# Altium PCB CameraControler0.8.1.PcbDoc (part 1 of 3) (continued)
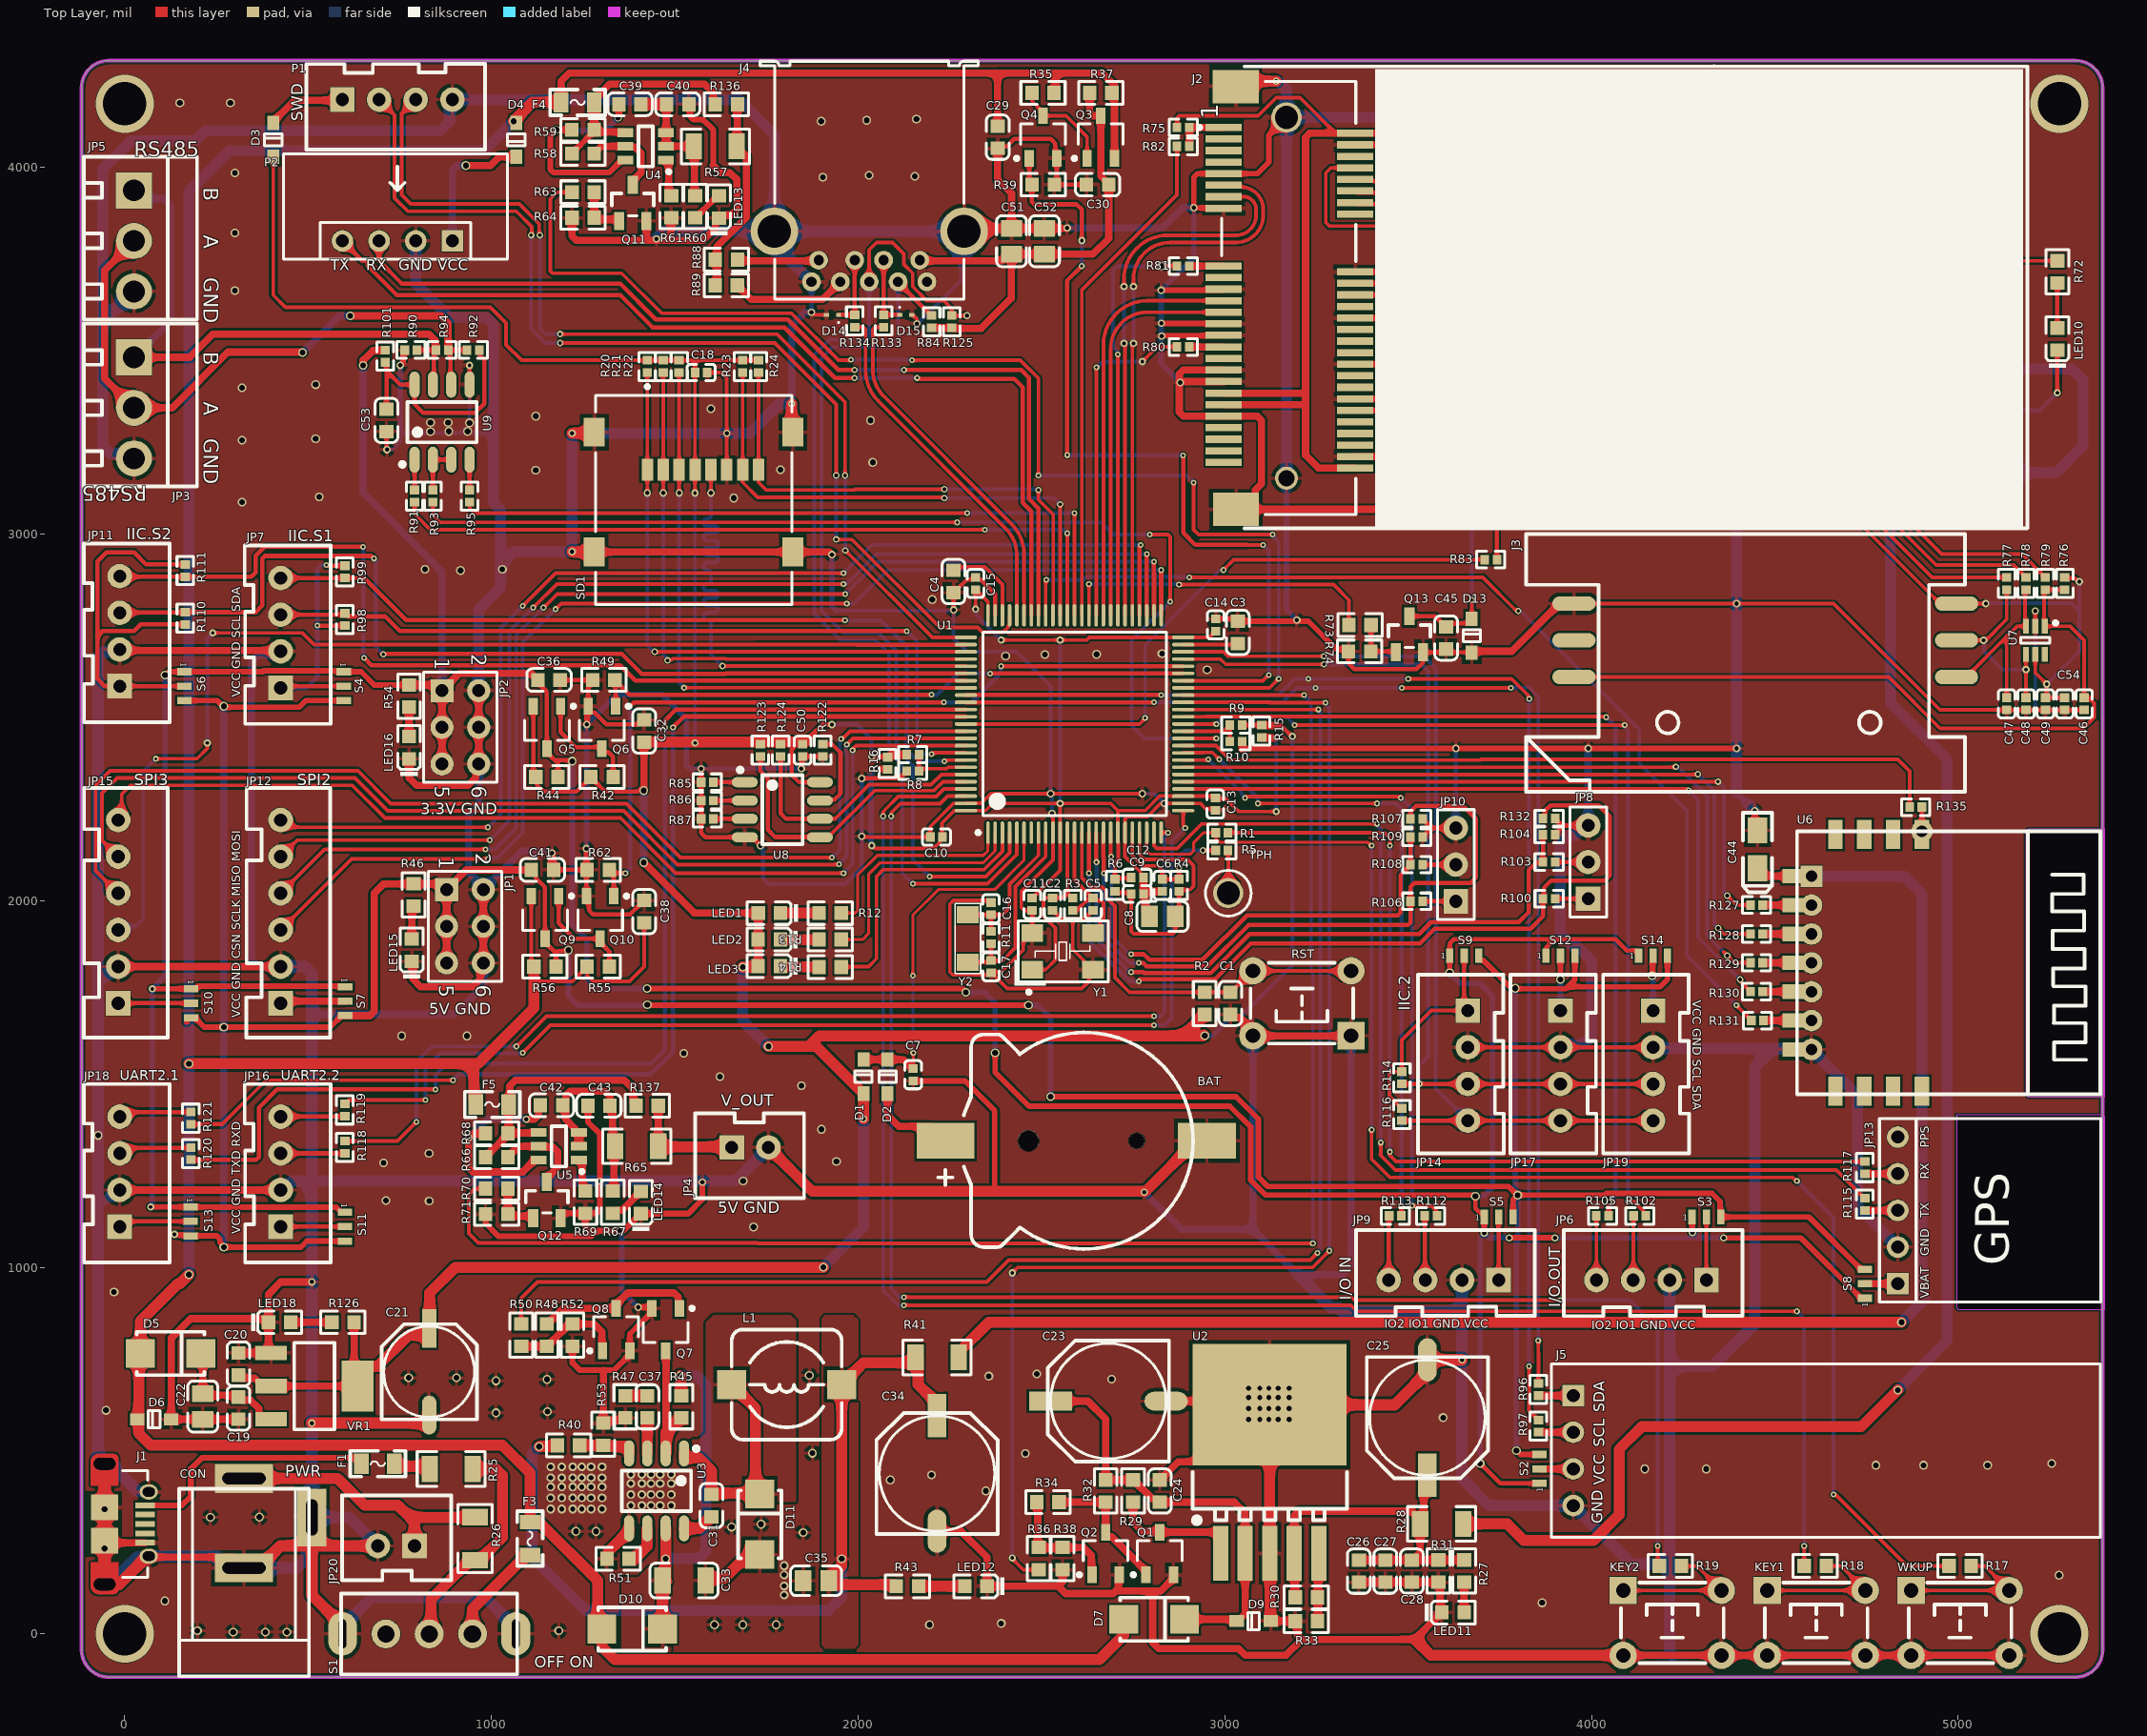
[diagram p0: Top Layer view]
## Components (designator, comment, footprint, x,y, rotation, side; value= is the part's Value field where it differs from the comment) (continued)
R124 "4.7KΩ" 0402_R 1788.31,2410.1 r270 top
R125 "10KΩ" 0402_R 2255,3579.13 r270 top
R126 "4.7KΩ" 0603_R 595,850 r0 top
R127 "0Ω" 0402_R 4450,1987.87 r0 top
R128 "0Ω" 0402_R 4450,1908.96 r0 top
R129 "0Ω" 0402_R 4450,1830.39 r0 top
R130 "0Ω" 0402_R 4450,1751.65 r0 top
R131 "0Ω" 0402_R 4452.12,1672.91 r0 top
R132 "NC" 0402_R 3883.9,2224.02 r0 top value=0Ω
R133 "0Ω" 0402_R 2069.37,3580.87 r90 top
R134 "0Ω" 0402_R 1990.63,3580.87 r90 top
R135 "0Ω" 0402_R 4883.98,2255 r180 top
R136 "NC" 0603_R 1640.55,4172.2 r0 top
R137 "NC" 0603_R 1424.45,1440.48 r0 top
RST "KEY" "TSW DIP-6*6*8" 3210,1720 r180 top
S1 "SW" "SS-12F23 (1P2T)  Straight foot" 830,0 r0 top
S2 "SW" SWITCH_SPOT 3857.89,410.63 r90 top
S3 "SW" SWITCH_SPOT 4273.63,1137.11 r0 top
S4 "SW" SWITCH_SPOT 597.11,2624.37 r270 top
S5 "SW" SWITCH_SPOT 3707.09,1137.11 r0 top
S6 "SW" SWITCH_SPOT 162.11,2624.37 r270 top
S7 "SW" SWITCH_SPOT 601.11,1765 r270 top
S8 "SW" SWITCH_SPOT 4745,915.63 r90 top
S9 "SW" SWITCH_SPOT 3613.13,1850 r0 top
S10 "SW" SWITCH_SPOT 181.11,1759.37 r270 top
S11 "SW" SWITCH_SPOT 600,1150.03 r270 top
S12 "SW" SWITCH_SPOT 3875.63,1850 r0 top
S13 "SW" SWITCH_SPOT 179.23,1164.37 r270 top
S14 "SW" SWITCH_SPOT 4128.13,1850 r0 top
SD1 "MicroSD Card" MOLX-47219-2001-8_V 1551.22,3114.25 r0 top
TPH "TPH" KSTN-5011_V 3009.23,2020.46 r0 top
U1 "STM32F407VGT6" STM-LQFP100_L 2590,2481.73 r90 top locked
U2 "MIC29302WU" TO-263-5 3122.21,219.41 r270 top
U3 "MP1584DN" SOP-8_150mil 1450,390 r180 top
U4 "FDC6330L" SOT-23-6 1420.23,4057.2 r0 top
U5 "FDC6330L" SOT-23-6 1183.35,1330 r0 top
U6 "WIFI" MT8266WIFI-H 4560.16,1480 r0 top
U7 "SMF05CT1G" SC-70-6(SOT-363) 5210,2710 r270 top
U8 "AT24C256" SOP-8_150mil 1793.31,2247.97 r270 top
U9 "SP3485" SOP-8_150mil 865.17,3305 r0 top
VR1 "AMS1117-3.3" SOT-223 516.96,675.91 r180 top
WKUP "KEY" "TSW DIP-6*6*8" 5005,30 r0 top
Y1 "8MHz" XTAL-5032-4P 2557.52,1861.58 r0 top
Y2 "32.768KHz" XTAL-3215/F135 2298.74,1896.73 r90 top

## Footprints (in the part's own frame and the unit in brackets; to place one, negate y for a bottom-side part, rotate by r counter-clockwise, add the part's x,y. Pads: shape width x height; smd on the part's side, far side on the other; paste and mask are expansions set on the pad)
0402_C [mm]
  rect 0.6x0.65 smd mask+0.051: 1(-0.425,0) 2(0.425,0)
  silkscreen extent -0.97,-0.58 0.98,0.58, body extent -0.48,-0.3 0.52,0.3, height 0.2
0402_R [mm]
  rect 0.6x0.65 smd mask+0.051: 1(-0.425,0) 2(0.425,0)
  silkscreen extent -0.98,-0.57 0.97,0.58, body extent -0.57,-0.27 0.58,0.28, height 0.41
0603_C [mm]
  rect 0.93x0.98 smd: 1(-0.77,0) 2(0.77,0)
  silkscreen extent -1.53,-0.79 1.54,0.79, body extent -0.8,-0.4 0.8,0.4, height 0.3
0603_LED_S1 [mm]
  rect 0.93x0.98 smd: A(0.77,0) K(-0.77,0)
  silkscreen extent -1.97,-0.79 1.53,0.79, body extent -0.8,-0.4 0.8,0.4, height 0.6
0603_R [mm]
  rect 0.93x0.98 smd: 1(-0.77,0) 2(0.77,0)
  silkscreen extent -1.53,-0.79 1.54,0.79, body extent -0.85,-0.4 0.85,0.4, height 0.56
0805_C [mm]
  rect 1.16x1.47 smd: 1(-0.89,0) 2(0.89,0)
  silkscreen extent -1.77,-1.04 1.77,1.04, body extent -1,-0.62 1,0.63, height 0.77
1206_C [mm]
  rect 1.13x1.8 smd: 1(-1.49,0) 2(1.49,0)
  silkscreen extent -2.36,-1.2 2.35,1.2, body extent -1.6,-0.81 1.6,0.79, height 1
1206_R [mm]
  rect 1.13x1.8 smd: 1(-1.49,0) 2(1.49,0)
  silkscreen extent -2.35,-1.2 2.35,1.2, body extent -1.7,-0.86 1.65,0.87, height 0.85
CASE-A_3216 [mm]
  rect 1.8x1.35 smd: 1(1.31,0) 2(-1.31,0)
  silkscreen extent -2.54,-1 2.97,1, body extent -1.7,-0.84 1.7,0.84, height 1.71
CDRH74 [mm] "7.3*7.3*4.5mm（长宽高）"
  rect 2x2 smd: 1(-3.81,0) 2(3.81,0)
  silkscreen extent -3.81,-3.81 3.81,3.81, body extent -3.65,-3.65 3.65,3.65, height 4.5
CR1220_B [mm] "纽扣电池座"
  round 1.1 hole 1.1: 0(-3.6,0)
  round 1.45 hole 1.45: 0(3.9,0)
  rect 4x2.5 smd: 1(9.652,0) 2(-8.458,0)
  silkscreen extent -7.5,-7.5 10.16,7.5, body extent -9.42,-7.45 10.34,7.45, height 4.05
"CT 6*6 - C" [mm] "直径6mm，高6mm"
  rect 2.7x1 smd: 1(3,0)
  oval 2.7x1 smd: 2(-3,0)
  silkscreen extent -3.3,-3.3 3.3,3.3, body extent -3.5,-3.15 3.5,3.15, height 6
"CT 8*7 - C" [mm] "直径8mm，高7mm"
  rect 3x1.3 smd: 1(4,0)
  oval 3x1.3 smd: 2(-4,0)
  silkscreen extent -4.2,-4.2 4.2,4.2, body extent -4.5,-4.15 4.5,4.15, height 7
DC-005 [mm] "5.5*2.1mm，DC30V,2.5A"
  rect 2x4 hole 0.8 slot 3 at 90 deg: 1(-6.2,0) 2(0,0)
  rect 4x2 hole 0.8 slot 2.5 at 0 deg: 3(-3.5,4.7)
  silkscreen extent -5.48,-4.5 7.5,4.5, body extent -6.55,-4.5 7.5,4.8, height 11.2
"FU 0805" [mil] "贴片保险丝"
  rect 40x55 smd: 1(-45,0) 2(45,0)
  silkscreen extent -75,-35 75,35, body extent -39,-24 39,24, height 20
HDR-1X3 [mm] "排针，3脚"
  rect 1.7x1.7 hole 0.9: 1(0,0)
  round 1.7 hole 0.9: 2(2.54,0) 3(5.08,0)
  silkscreen extent -1.27,-1.27 6.35,1.27, body extent -1.27,-1.27 6.35,1.27, height 8.5
HDR-3X2 [mm] "双排排针，3x2脚"
  rect 1.6x1.6 hole 0.9: 1(0,0)
  round 1.6 hole 0.9: 2(0,2.54) 3(2.54,0) 4(2.54,2.54) 5(5.08,0) 6(5.08,2.54)
  silkscreen extent -1.27,-1.27 6.35,3.81, body extent -1.27,-1.27 6.35,3.81, height 8.5
"HDR-4P Bluetooth-v" [mm] "Connector; Header; 4 Position"
  rect 1.5x1.5 hole 0.9: 1(-11.989,-35.687)
  round 1.5 hole 0.9: 2(-11.989,-33.147) 3(-11.989,-30.607) 4(-11.989,-28.067)
  silkscreen extent -13.26,-39.5 -5.97,-23.98, body extent -13.26,-36.96 -10.72,-26.8, height 8.5
"HDR-4P OLED" [mm] "Connector; Header; 4Position"
  rect 1.5x1.5 hole 0.9: 1(0,0)
  round 1.5 hole 0.9: 2(0,-2.54) 3(0,-5.08) 4(0,-7.62)
  silkscreen extent -1.5,-9.81 36.5,2.19, body extent -1.27,-8.89 1.27,1.27, height 8.5
"HDR-5P GPS" [mm] "Connector; Header; 5 Position"
  rect 1.5x1.5 hole 0.9: 1(0,0)
  round 1.5 hole 0.9: 2(2.54,0) 3(5.08,0) 4(7.62,0) 5(10.16,0)
  silkscreen extent -1.27,-14.05 11.46,1.27, body extent -1.27,-1.27 11.43,1.27, height 8.5
KF350-3P [mm] "可拼接端子/10A"
  rect 2.5x2.5 hole 1.5: 1(0,0)
  round 2.5 hole 1.5: 2(3.5,0) 3(7,0)
  silkscreen extent -2.34,-3.48 8.94,4.37, body extent -2.15,-3.3 8.75,4.2, height 10
KSTN-5011_V [mm] "Test Point, Dia 3.17mm"
  round 2.1 hole 1.6: 1(0,0)
  silkscreen extent -1.59,-1.58 1.59,1.58, body extent -1.59,-1.59 1.59,1.59, height 8.13
MOLX-47219-2001-8_V [mm] "CONN, 8-Leads, Body 14.5x13.6mm, Pitch 1.1mm"
  rect 0.8x1.5 smd: 1(-3.205,1.55) 2(-2.105,1.55) 3(-1.005,1.55) 4(0.095,1.55) 5(1.195,1.55) 6(2.295,1.55) 7(3.395,1.55) 8(4.495,1.55)
  rect 1.45x2 smd: 9(6.875,4.15) 10(6.875,-4.15) 11(-6.875,-4.15) 12(-6.875,4.15)
  silkscreen extent -6.8,-7.8 6.8,7.42, body extent -7.3,-7.79 7.3,6.71, height 1.91
MOLX-47589-0001 [mm] "Micro USB 2.0 Type AB ，USB SMD, 5-Leads, Body 7.5x5.6mm, Pitch 0.65mm"
  rect 0.4x1.35 smd: 1(-1.3,2.805) 2(-0.65,2.805) 3(0,2.805) 4(0.65,2.805) 5(1.3,2.805)
  round 0 / inner oval 1.4x2.1 / far side oval 1.4x2.1 hole 0.825 slot 1.5 at 90 deg: Shell(-4.175,0)
  oval 1.05x1.25 hole 0.65 slot 0.85 at 90 deg: Shell(-2.225,3.055) Shell(2.225,3.055)
  rect 1.8x1.9 smd: Shell(-1.15,0) Shell(1.15,0)
  round 0 / inner round 0 / far side oval 1.4x2.1 hole 0.825 slot 1.5 at 90 deg: Shell(4.175,0)
  Top Layer region: 4.353,-0.95 4.544,-0.912 4.706,-0.804 4.814,-0.641 4.852,-0.45 4.852,-0.45 4.852,0.65 4.83,0.765 4.765,0.862 4.667,0.927 4.553,0.95 4.553,0.95 2.668,0.95 2.668,-0.95
  Top Layer region: -4.353,-0.95 -4.544,-0.912 -4.706,-0.804 -4.814,-0.641 -4.852,-0.45 -4.852,-0.45 -4.852,0.65 -4.83,0.765 -4.765,0.862 -4.667,0.927 -4.553,0.95 -4.553,0.95 -2.668,0.95 -2.668,-0.95
  silkscreen extent -3.7,1.25 3.7,2.97, body extent -4.3,-2.64 4.3,3.23, height 2.76
MT8266WIFI-H [mm] "Anylink-ESP8266"
  rect 2x1 smd: 1(0,14.9) 2(0,12.9) 3(0,10.9) 4(0,8.9) 5(0,6.9) 6(0,4.9) 7(0,2.9)
  rect 1.5x1.5 hole 0.8: 1(1,14.896)
  round 1.5 hole 0.8: 2(1,12.896) 3(1,10.896) 4(1,8.896) 5(1,6.896) 6(1,4.896) 7(1,2.896) 12(8.65,18)
  rect 1x2 smd: 8(2.65,0) 9(4.65,0) 10(6.65,0) 11(8.65,0) 12(8.65,17.8) 13(6.65,17.8) 14(4.65,17.8) 15(2.65,17.8)
  silkscreen extent 0,-0.2 21,18
ONSC-SOD-923-2-514AB-01_V [mm] "SOD, 2-Leads, Body 0.8x0.6mm"
  rect 0.36x0.25 smd: 1(-0.42,0) 2(0.42,0)
  silkscreen extent -0.47,0.48 -0.37,0.57, body extent -0.4,-0.3 0.4,0.3, height 0.4
PCIEmin-i [mm]
  rect 0.5x2.5 smd: 1(24.3,4.35) 2(23.9,-4.75) 3(23.5,4.35) 4(23.1,-4.75) 5(22.7,4.35) 6(22.3,-4.75) 7(21.9,4.35) 8(21.5,-4.75) 9(21.1,4.35) 10(20.7,-4.75) 11(20.3,4.35) 12(19.9,-4.75) 13(19.5,4.35) 14(19.1,-4.75) 15(18.7,4.35) 16(18.3,-4.75) 17(14.7,4.35) 18(14.3,-4.75) 19(13.9,4.35) 20(13.5,-4.75) 21(13.1,4.35) 22(12.7,-4.75) 23(12.3,4.35) 24(11.9,-4.75) 25(11.5,4.35) 26(11.1,-4.75) 27(10.7,4.35) 28(10.3,-4.75) 29(9.9,4.35) 30(9.5,-4.75) 31(9.1,4.35) 32(8.7,-4.75) 33(8.3,4.35) 34(7.9,-4.75) 35(7.5,4.35) 36(7.1,-4.75) 37(6.7,4.35) 38(6.3,-4.75) 39(5.9,4.35) 40(5.5,-4.75) 41(5.1,4.35) 42(4.7,-4.75) 43(4.3,4.35) 44(3.9,-4.75) 45(3.5,4.35) 46(3.1,-4.75) 47(2.7,4.35) 48(2.3,-4.75) 49(1.9,4.35) 50(1.5,-4.75) 51(1.1,4.35) 52(0.7,-4.75)
  rect 2.3x3.2 smd: 53(27.133,3.512) 54(-2.15,3.5)
  round 2.1 hole 1.6: MH1(25,0)
  round 1.6 hole 1.1: MH2(0,0)
  round 5 hole 3: MH3(24.616,-48) MH4(0.38,-48)
  silkscreen extent -3.47,-51.31 28.54,6.15, body extent -2.49,-4.8 27.51,4.5, height 9.9
SC-70-6(SOT-363) [mm]
  rect 1x0.42 smd mask+0.051: 1(-0.97,0.65) 2(-0.97,0) 3(-0.97,-0.65) 4(0.97,-0.65) 5(0.97,0) 6(0.97,0.65)
  silkscreen extent -1.32,-1 0.2,1.53, body extent -1.2,-1.1 1.2,1.1, height 1.1
"SIM Card" [mm] "MUP , 6P"
  oval 3x1 smd: 1(-26.5,-5.08) 2(-26.5,-2.54) 3(-26.5,0) 4(0,-5.08) 5(0,-2.54) 6(0,0)
  silkscreen extent -27.1,-9.89 3.3,7.96, body extent -26.48,-9.85 3.16,7.35, height 2.6
SMA(DO-214AC)_S1 [mm]
  rect 2x2 smd: 1(2.1,0) 2(-2.1,0)
  silkscreen extent -2.35,-1.5 2.35,1.5, body extent -2.52,-1.4 2.52,1.4, height 2.29
SOD-323 [mm]
  rect 1x0.83 smd: 1(1.18,0) 2(-1.18,0)
  silkscreen extent -0.4,-0.6 0.4,0.6, body extent -1.35,-0.62 1.35,0.63, height 1.1
SOP-8_150mil [mm]
  oval 0.7x1.8 smd: 1(-1.905,-2.6) 2(-0.635,-2.6) 3(0.635,-2.6) 4(1.905,-2.6) 5(1.905,2.6) 6(0.635,2.6) 7(-0.635,2.6) 8(-1.905,2.6)
  silkscreen extent -2.9,-3.07 2.4,1.4, body extent -2.5,-3.1 2.5,3.1, height 1.75
SOT-23(SOT-23-3) [mm]
  rect 1.25x0.7 smd: 1(1.25,-0.95) 2(1.25,0.95) 3(-1.25,0)
  silkscreen extent -0.65,-1.46 0.9,1.46, body extent -1.5,-1.5 1.5,1.5, height 1.3
SOT-23-3L [mm] "http://www.aosmd.com/res/packaging_information/SOT-23-3L.pdf"
  rect 1.15x0.65 smd: 1(1.475,-0.95) 2(1.475,0.95) 3(-1.475,0)
  silkscreen extent -0.9,-1.95 1.6,1.55, body extent -0.9,-1.55 0.9,1.55, height 1.25
SOT-23-6 [mm]
  rect 1.1x0.6 smd: 1(1.4,-0.95) 2(1.4,0) 3(1.4,0.95) 4(-1.4,0.95) 5(-1.4,0) 6(-1.4,-0.95)
  silkscreen extent -0.5,-1.87 1.73,1.4, body extent -1.4,-1.45 1.4,1.45, height 1.45
SOT-223 [mm]
  rect 2.2x1 smd: 1(3,-2.3) 2(3,0) 3(3,2.3)
  rect 2.2x3.5 smd: 2(-3,0)
  silkscreen extent -1.4,-3 1.4,3, body extent -3.49,-3.24 3.49,3.24, height 1.64
"SS-12F23 (1P2T)  Straight foot" [mm] "脚距3mm"
  oval 2x3 hole 0.5 slot 2 at 90 deg: 0(-6,0) 0(6,0)
  round 2 hole 1.2: 1(-3,0) 2(0,0) 3(3,0)
  silkscreen extent -6.1,-2.8 6.1,2.8, body extent -7,-3.1 7,3.1, height 9.65
STM-LQFP100_L [mm] "Thin QFP, 100-Leads, Body 14x14mm, Pitch 0.5mm, IPC High Density"
  oval 1.55x0.25 smd: 1(-7.525,6) 2(-7.525,5.5) 3(-7.525,5) 4(-7.525,4.5) 5(-7.525,4) 6(-7.525,3.5) 7(-7.525,3) 8(-7.525,2.5) 9(-7.525,2) 10(-7.525,1.5) 11(-7.525,1) 12(-7.525,0.5) 13(-7.525,0) 14(-7.525,-0.5) 15(-7.525,-1) 16(-7.525,-1.5) 17(-7.525,-2) 18(-7.525,-2.5) 19(-7.525,-3) 20(-7.525,-3.5) 21(-7.525,-4) 22(-7.525,-4.5) 23(-7.525,-5) 24(-7.525,-5.5) 25(-7.525,-6) 51(7.525,-6) 52(7.525,-5.5) 53(7.525,-5) 54(7.525,-4.5) 55(7.525,-4) 56(7.525,-3.5) 57(7.525,-3) 58(7.525,-2.5) 59(7.525,-2) 60(7.525,-1.5) 61(7.525,-1) 62(7.525,-0.5) 63(7.525,0) 64(7.525,0.5) 65(7.525,1) 66(7.525,1.5) 67(7.525,2) 68(7.525,2.5) 69(7.525,3) 70(7.525,3.5) 71(7.525,4) 72(7.525,4.5) 73(7.525,5) 74(7.525,5.5) 75(7.525,6)
  oval 0.25x1.55 smd: 26(-6,-7.525) 27(-5.5,-7.525) 28(-5,-7.525) 29(-4.5,-7.525) 30(-4,-7.525) 31(-3.5,-7.525) 32(-3,-7.525) 33(-2.5,-7.525) 34(-2,-7.525) 35(-1.5,-7.525) 36(-1,-7.525) 37(-0.5,-7.525) 38(0,-7.525) 39(0.5,-7.525) 40(1,-7.525) 41(1.5,-7.525) 42(2,-7.525) 43(2.5,-7.525) 44(3,-7.525) 45(3.5,-7.525) 46(4,-7.525) 47(4.5,-7.525) 48(5,-7.525) 49(5.5,-7.525) 50(6,-7.525) 76(6,7.525) 77(5.5,7.525) 78(5,7.525) 79(4.5,7.525) 80(4,7.525) 81(3.5,7.525) 82(3,7.525) 83(2.5,7.525) 84(2,7.525) 85(1.5,7.525) 86(1,7.525) 87(0.5,7.525) 88(0,7.525) 89(-0.5,7.525) 90(-1,7.525) 91(-1.5,7.525) 92(-2,7.525) 93(-2.5,7.525) 94(-3,7.525) 95(-3.5,7.525) 96(-4,7.525) 97(-4.5,7.525) 98(-5,7.525) 99(-5.5,7.525) 100(-6,7.525)
  silkscreen extent -7.65,-6.35 6.35,6.8, body extent -7,-7 7,7, height 1.6
SWITCH_SPOT [mm]
  rect 0.5x1 smd: 1(0,0) 2(1,0) 3(2,0)
TO-263-5 [mm]
  rect 8.4x10.65 smd: 0(-10.3,0)
  rect 3.8x1.05 smd: 1(0,-3.4) 2(0,-1.7) 3(0,0) 4(0,1.7) 5(0,3.4)
  silkscreen extent -5.65,-5.35 -2.1,5.35, body extent -12.78,-5.26 -3.13,5.39, height 4.83
"TSW DIP-6*6*8" [mm] "6*6*8mm"
  rect 1.9x1.9 hole 1: 1(-3.4,2.25)
  round 1.9 hole 1: 1(3.4,2.25) 2(-3.4,-2.25) 2(3.4,-2.25)
  silkscreen extent -3.56,-2.79 3.56,2.79, body extent -4.11,-3 4.11,3, height 7.95
USB3.0-i [mm] "USB 3.0 Type A Horizontal"
  round 1.3 hole 0.7: 1(-3.5,5.54) 2(-1,5.54) 3(1,5.54) 4(3.5,5.54) 5(4,7.04) 6(2,7.04) 7(0,7.04) 8(-2,7.04) 9(-4,7.04)
  round 3.3 hole 2.3: Shell(-6.57,3.54) Shell(6.57,3.54)
  silkscreen extent -7.55,-8.24 7.55,8.24, body extent -7.74,-8.24 7.74,8.31, height 8.03
XH2.54-2P [mm] "接插件，2P"
  rect 1.7x1.7 hole 0.9: 1(0,0)
  round 1.7 hole 0.9: 2(2.54,0)
  silkscreen extent -2.54,-3.51 5.01,2.37, body extent -2.5,-3.3 5.04,2.4, height 7.05
XH2.54-4P [mm] "接插件，4P"
  rect 1.7x1.7 hole 0.9: 1(0,0)
  round 1.7 hole 0.9: 2(2.54,0) 3(5.08,0) 4(7.62,0)
  silkscreen extent -2.49,-3.45 9.88,2.49, body extent -2.5,-3.3 10.12,2.4, height 7.03
XH2.54-6P [mm] "接插件，6P"
  rect 1.7x1.7 hole 0.9: 1(0,0)
  round 1.7 hole 0.9: 2(2.54,0) 3(5.08,0) 4(7.62,0) 5(10.16,0) 6(12.7,0)
  silkscreen extent -2.39,-3.43 14.91,2.39, body extent -2.5,-3.3 15.2,2.4, height 7.03
XTAL-3215/F135 [mm]
  rect 1.2x1.5 smd: 1(-1.65,0) 2(1.65,0)
  silkscreen extent -2.41,-0.89 2.41,0.89, body extent -1.6,-0.75 1.6,0.75, height 0.81
XTAL-5032-4P [mil]
  rect 59.06x47.24 smd: 1(-83,-50) 2(83,-50) 3(83,50) 4(-83,50)
  silkscreen extent -132,-116 124,83, body extent -98,-63 98,63, height 39

## Part data
C1 C19 C20 C24 C26 C31 C40 C43 C45 C53: library part "Cap 0603 100nF (104) 10% 50V", "贴片电容", Package=0603, SuppliersPartNumber=C14663, ComponentLink1Description=供应商链接, ComponentLink1URL=http://www.szlcsc.com/product/details_15331.html, Supplier=LC
C2 C5 C16 C17: library part "Cap 0402 22pF (220) 5% 50V", "贴片电容", Package=0402, SuppliersPartNumber=C1555, ComponentLink1Description=供应商链接, ComponentLink1URL=http://www.szlcsc.com/product/details_1907.html, Supplier=LC
C3 C4: library part "Cap 0603 2.2uF (225) 10% 16V", "贴片电容", Package=0603, SuppliersPartNumber=C23630, ComponentLink1Description=供应商链接, ComponentLink1URL=http://www.szlcsc.com/product/details_24366.html, Supplier=LC
C6 C7 C9 C10 C11 C12 C13 C14 C15 C18 C50 C54: library part "Cap 0402 100nF (104) 10% 16V", "贴片电容", Package=0402, SuppliersPartNumber=C1525, ComponentLink1URL=http://www.szlcsc.com/product/details_1877.html, Supplier=LC
  C6 C7 C9 C10 C11 C12 C13 C14 C15 C18: ComponentLink1Description=供应商链接
  C50 C54: ComponentLink1Description=供应商
C8 C22 C51: library part "Cap 0805 10uF (106) 10% 25V", "贴片电容", Package=0805, SuppliersPartNumber=C15850, ComponentLink1Description=供应商链接, ComponentLink1URL=http://www.szlcsc.com/product/details_16532.html, Supplier=LC
C21: library part "Cap+ CT6.3*5.4 220uF/16V", "电解电容"
C23 C25 C34: library part "Cap+ CT8*10.2 470uF/16V", "电解电容"
C27: library part "Cap 0603 10pF (100) 5% 50V", "贴片电容", Package=0603, SuppliersPartNumber=C1634, ComponentLink1Description=供应商链接, ComponentLink1URL=http://www.szlcsc.com/product/details_1986.html, Supplier=LC
C28: library part "Cap 0603 33pF (330) 5% 50V", "贴片电容", Package=0603, SuppliersPartNumber=C1663, ComponentLink1Description=供应商链接, ComponentLink1URL=http://www.szlcsc.com/product/details_2015.html, Supplier=LC
C29 C30 C32 C36 C38 C41: library part "Cap 0603 1uF (105) 10% 50V", "贴片电容", Package=0603, SuppliersPartNumber=C15849, ComponentLink1Description=供应商链接, ComponentLink1URL=http://www.szlcsc.com/product/details_16531.html, Supplier=LC
C33: library part "Cap 1206 10uF (106) 10% 50V", "贴片电容", Package=1206, SuppliersPartNumber=C13585, ComponentLink1Description=供应商链接, ComponentLink1URL=http://www.szlcsc.com/product/details_14236.html, Supplier=LC
C35: library part "Cap 0805 22uF (226) 20% 25V", "贴片电容", Package=0805, SuppliersPartNumber=C45783, ComponentLink1Description=供应商链接, ComponentLink1URL=http://www.szlcsc.com/product/details_46786.html, Supplier=LC
C37: library part "Cap 0603 220pF (221) 10% 50V", "贴片电容", Package=0603, SuppliersPartNumber=C1603, ComponentLink1Description=供应商链接, ComponentLink1URL=http://www.szlcsc.com/product/details_1955.html, Supplier=LC
C39 C42: library part "Cap 0603 1nF (102) 10% 50V", "贴片电容", Package=0603, SuppliersPartNumber=C1588, ComponentLink1Description=供应商链接, ComponentLink1URL=http://www.szlcsc.com/product/details_1940.html, Supplier=LC
C44: library part "3216 10uF (106) 10% 16V", "钽电容", Package=3216, SuppliersPartNumber=C7171, ComponentLink1Description=供应商链接, ComponentLink1URL=http://www.szlcsc.com/product/details_7643.html, Supplier=LC
C46 C47 C48 C49: library part "Cap 0402 33pF (330) 5% 50V", "贴片电容", Package=0402, SuppliersPartNumber=C1562, ComponentLink1Description=供应商链接, ComponentLink1URL=http://www.szlcsc.com/product/details_1914.html, Supplier=LC
C52: library part "Cap 0805 100nF(104) 10% 50V", "贴片电容", Package=0805, SuppliersPartNumber=C49678, ComponentLink1Description=供应商链接, ComponentLink1URL=http://www.szlcsc.com/product/details_50686.html, Supplier=LC
CON: library part PWR-DC, "低压电源接口", BOM名称=DC电源接口, 学习资源=www.ooocke.com, 版权归属=源创客
D1 D2 D3 D4: library part "DIO SOD-323 1N4148WS T4", "二极管", Package=SOD-323, SuppliersPartNumber=C2128, ComponentLink1Description=供应商链接, ComponentLink1URL=http://www.szlcsc.com/product/details_2485.html, Supplier=LC
D5 D7 D10: library part "SMA(DO-214AC) B350A", "Schottky Diodes", Package=SMA(DO-214AC), ComponentLink1Description=供应商链接, ComponentLink1URL=http://www.szlcsc.com/product/details_2841.html
D6 D9: library part "SOD-323 SD24C", "TVS; ESD 抑制器/TVS 二极管", Package=SMB/DO-214AA, SuppliersPartNumber=C78395, ComponentLink1Description=供应商链接, ComponentLink1URL=http://www.szlcsc.com/product/details_79530.html, Supplier=LC
D11: library part "SMA(DO-214AC) SS34", "SMA(DO-214AC) SS34, D Schottky"
D13: library part "SOD-323 LESD3Z5.0T1G", "TVS/ESD, SOD-323, 5V", Package=SMB/DO-214AA, SuppliersPartNumber=C78395, ComponentLink1Description=供应商链接, ComponentLink1URL=http://www.szlcsc.com/product/details_79530.html, Supplier=LC
D14 D15: library part "SOD-923 ESD9L5.0ST5G", "Transient Voltage Suppressor, ESD Protection Diode with Ultra-Low Capacitance, 2-Pin SOD-923, Pb-Free, Tape and Reel, CMP-1063-00114-1", Manufacturer="On Semiconductor", C Max (pF)=0.9, ComponentLink1Description="Manufacturer URL", ComponentLink1URL=http://www.onsemi.com/, ComponentLink2Description=Datasheet, ComponentLink2URL=http://www.onsemi.cn/pub_link/Collateral/ESD9L-D.PDF, ComponentLink3Description="Package Specification", ComponentLink3URL=http://www.onsemi.com/pub_link/Collateral/514AB.PDF, DatasheetVersion="Rev. 5", Direction=Unidirectional, IR Max (uA)=1, Mounting Technology="Surface Mount", Number of Lines=1, PackageDescription="2-Pin SOD, Body 0.8 x 0.6 mm", PackageReference=SOD-923-2-514AB-01, PackageVersion="Rev. C, 03/2011", Packing="Tape and Reel", PartNumber=ESD9L5.0ST5G, RoHS=Pb-Free, V(BR) Min (V)=5.4, VRWM Max (V)=5
F1 F4 F5: library part "FU PPTC MSMD 5V 2A", "自恢复保险丝", BOM名称=贴片保险丝, 学习资源=www.ooocke.com, 版权归属=源创客
F3: library part "FU PPTC MSMD 5V 3A", "自恢复保险丝", BOM名称=贴片保险丝, 学习资源=www.ooocke.com, 版权归属=源创客
J1: library part "MicroUSB MOLX-47589-0001", "Right Angle Female Type AB Micro USB Connector, 30 V, 1.8 A, -30 to 85 degC, RoHS, Tape and Reel", Contact Resistance=30mOhm, Manufacturer="Wurth Elektronik", Operating Temperature=-40to85degC, Package Reference=629105150921, Rated Current=1.8A, Working Voltage=30VAC, Connector Type=MicroUSB2.0TypeAB, Datasheet URL=https://katalog.we-online.de/em/datasheet/629105150921.pdf, Gender=Receptacle, Manufacturer URL=http://www.we-online.de, Mounting Technology=SMT, Orientation=Horizontal, Packaging=TapeandReel, Part Number=629105150921, Publisher=WurthElektronik
J2: library part PCIE-Mini, "Female Header, Pitch 0.8 mm, 2 x 26 Position, Height 9.9 mm, -40 to 85 degC, RoHS, Tape and Reel, CMP-2000-05614-1, 48338-0099", Manufacturer=Molex, Package Description="52-Pin Surface Mount Device, Body 30 x 9.3 mm, Pitch 0.8 mm", Package Reference=48338-0099, =0483380099, Brand=Molex, Contact Material=CopperAlloy, Contact Plating=Gold, Datasheet URL=http://www.molex.com/pdm_docs/sd/483380099_sd.pdf, Datasheet Version="Rev. F, 06/2009", Factory Pack Quantity=300, Housing Material=Thermoplastic, Manufacturer URL=http://www.molex.com/, Mounting Angle=Right, Mounting Style=SMD/SMT, Mounting Technology=SurfaceMount, Number of Positions=52, Number of Positions / Contacts=52, Packaging=Reel, Product Category=PCIExpress/PCIConnectors, Product Type=MiniPCI, RoHS=Details, Series=48338
J3: library part "SIM Card MUP", "MUP, 6P", Manufacturer="Wurth Elektronik", Operating Temperature=-25to85degC, Package Reference=693010020611, Rated Current=0.5A, Withstanding Voltage=500VAC, Working Voltage=50VAC, Datasheet URL=https://katalog.we-online.de/em/datasheet/693010020611.pdf, Manufacturer URL=http://www.we-online.de, Mounting Technology=SMT, Packaging=TapeandReel, Part Number=693010020611, Publisher=WurthElektronik, Taobao=https://item.taobao.com/item.htm?spm=a230r.1.14.37.7dfabe7eHV2uMn&id=550214241835&ns=1&abbucket=6#detail
J4: library part "USB 3.0 Type A", "USB 3.0 Type A Receptacle WR-COM, Horizontal, THT", Contact Resistance=50mOhm, Manufacturer="Wurth Elektronik", Operating Temperature=-20to85degC, Package Reference=692121030100, Rated Current=0.25A, Working Voltage=30VAC, Connector Type=USB3.0TypeA, Datasheet URL=https://katalog.we-online.de/em/datasheet/692121030100.pdf, Gender=Receptacle, Manufacturer URL=http://www.we-online.de, Mounting Technology=THT, Orientation=Horizontal, Packaging=TapeandReel, Part Number=692121030100, Publisher=WurthElektronik
J5: library part "HDR-4P OLED 0.91", "Header, 4-Pin", LatestRevisionDate=17-Jul-2002, LatestRevisionNote="Re-released for DXP Platform.", Publisher="Altium Limited"
JP1 JP2: library part "Header HDR-2X3", "3*2P接插件", BOM名称=3*2P接插件, 学习资源=www.ooocke.com, 版权归属=源创客
JP3 JP5 JP8 JP10: library part "Header HDR-1X3", "3P接插件", BOM名称=3P接插件, 学习资源=www.ooocke.com, 版权归属=源创客
JP4 JP20: library part "Header XH-2.56-2P", "Male Header, Pitch 2.5 mm, 1 x 2 Position, Height 7 mm, Tail Length 3.4 mm, -25 to 85 degC, RoHS, Bulk", Manufacturer=JST, Package Description="Male Header, Pitch 2.5 mm, 1 x 2 Position, Height 7 mm, Tail Length 3.4 mm", Package Reference=B2B-XH-A, Datasheet URL=http://www.jst-mfg.com/product/pdf/eng/eXH.pdf, Datasheet Version=05/2016, Manufacturer URL=http://www.jst.com/home2.html, Mounting Technology=ThroughHole, No of Positions=2, Pitch=2.5mm, Style/Orientation=StraightHeader/Plug, Termination=Crimp, Type=ShroudedHeader
JP6 JP7 JP9 JP11 JP14 JP16 JP17 JP18 JP19 P1: library part "Header XH-2.56-4P", "Male Header, Pitch 2.5 mm, 1 x 4 Position, Height 7 mm, Tail Length 8.4 mm, -25 to 85 degC, RoHS, Bulk", Manufacturer=JST, Package Description="Male Header, Pitch 2.5 mm, 1 x 2 Position, Height 7 mm, Tail Length 3.4 mm", Package Reference=B2B-XH-A, Datasheet URL=http://www.jst-mfg.com/product/pdf/eng/eXH.pdf, Datasheet Version=05/2016, Manufacturer URL=http://www.jst.com/home2.html, Mounting Technology=ThroughHole, No of Positions=2, Pitch=2.5mm, Style/Orientation=StraightHeader/Plug, Termination=Crimp, Type=ShroudedHeader
JP12 JP15: library part "Header XH-2.56-6P", "Male Header, Pitch 2.5 mm, 1 x 4 Position, Height 7 mm, Tail Length 8.4 mm, -25 to 85 degC, RoHS, Bulk", Manufacturer=JST, Package Description="Male Header, Pitch 2.5 mm, 1 x 2 Position, Height 7 mm, Tail Length 3.4 mm", Package Reference=B2B-XH-A, Datasheet URL=http://www.jst-mfg.com/product/pdf/eng/eXH.pdf, Datasheet Version=05/2016, Manufacturer URL=http://www.jst.com/home2.html, Mounting Technology=ThroughHole, No of Positions=2, Pitch=2.5mm, Style/Orientation=StraightHeader/Plug, Termination=Crimp, Type=ShroudedHeader
JP13: "Header, 5-Pin", LatestRevisionDate=17-Jul-2002, LatestRevisionNote="Re-released for DXP Platform.", Publisher="Altium Limited"
KEY1 KEY2 RST WKUP: library part KEY_M
L1: library part "IUD CDRH74 10uH", "IUD CDRH74 10uH"
LED1: library part "LED 0603 绿灯", "发光二极管", Package=0603, SuppliersPartNumber=C72043, ComponentLink1Description=供应商链接, ComponentLink1URL=http://www.szlcsc.com/product/details_73152.html, Supplier=LC
LED2 LED11 LED12 LED13 LED14 LED15 LED16: library part "LED 0603 黄灯", "发光二极管", Package=0603, SuppliersPartNumber=C72038, ComponentLink1Description=供应商链接, ComponentLink1URL=http://www.szlcsc.com/product/details_73147.html, Supplier=LC
LED3 LED10: library part "LED 0603 蓝灯", "发光二极管", Package=0603, SuppliersPartNumber=C72041, ComponentLink1Description=供应商链接, ComponentLink1URL=http://www.szlcsc.com/product/details_73150.html, Supplier=LC
LED18: library part "LED 0603 红灯", "发光二极管", Package=0603, SuppliersPartNumber=C2286, ComponentLink1Description=供应商链接, ComponentLink1URL=http://www.szlcsc.com/product/details_2659.html, Supplier=LC
P2: library part "HAR-4P UART", "Header, 4-Pin", LatestRevisionDate=17-Jul-2002, LatestRevisionNote="Re-released for DXP Platform.", Publisher="Altium Limited"
Q1 Q2 Q4 Q6 Q7 Q8 Q10: library part "NMOS SOT-23 AO3400A X0YV1T", "MOS(场效应管) NMOS", Package=SOT-23, SuppliersPartNumber=C20917, ComponentLink1Description=供应商链接, ComponentLink1URL=http://www.szlcsc.com/product/details_21629.html, Supplier=LC
Q3 Q5 Q9: library part "PMOS SOT-23 AO3401A X13A15", "MOS(场效应管) PMOS", Package=SOT-23, SuppliersPartNumber=C15127, ComponentLink1Description=供应商链接, ComponentLink1URL=http://www.szlcsc.com/product/details_15801.html, Supplier=LC
Q11 Q12: library part "NPN SOT-23 SS8050 Y1", "NPN 三极管", Package=SOT-23, SuppliersPartNumber=C2150, ComponentLink1Description=供应商链接, ComponentLink1URL=http://www.szlcsc.com/product/details_2507.html, Supplier=LC
Q13: library part "SOT-23 SS8050 Y1", "三极管", Package=SOT-23, SuppliersPartNumber=C2150, ComponentLink1Description=供应商链接, ComponentLink1URL=http://www.szlcsc.com/product/details_2507.html, Supplier=LC
R1 R4 R5 R15 R16 R100 R101 R103 R104 R106 R107 R108 R109 R127 R128 R129 R130 R131 R132 R133 R134 R135: library part "Res 0402 0Ω (0R0) 1%", "贴片电阻", Package=0402, SuppliersPartNumber=C17168, ComponentLink1URL=http://www.szlcsc.com/product/details_17853.html, Supplier=LC
  R1 R4 R5 R15 R16 R127 R128 R129 R130 R131 R133 R134: ComponentLink1Description=供应商链接
  R100 R101 R103 R104 R106 R107 R108 R109 R132 R135: ComponentLink1Description=供应商
R2 R36 R46 R50 R60: library part "Res 0603 10KΩ (1002) 1%", "贴片电阻", Package=0603, SuppliersPartNumber=C25804, ComponentLink1Description=供应商链接, ComponentLink1URL=http://www.szlcsc.com/product/details_26547.html, Supplier=LC
R3 R11: library part "Res 0402 1MΩ (1004) 1%", "贴片电阻", Package=0402, SuppliersPartNumber=C26083, ComponentLink1Description=供应商链接, ComponentLink1URL=http://www.szlcsc.com/product/details_26826.html, Supplier=LC
R6: library part "Res 0402 10Ω (10R0) 1%", "贴片电阻", Package=0402, SuppliersPartNumber=C25077, ComponentLink1Description=供应商链接, ComponentLink1URL=http://www.szlcsc.com/product/details_25820.html, Supplier=LC
R7 R8 R9 R10 R75 R84 R85 R86 R87 R122 R125: library part "Res 0402 10KΩ (1002) 1%", "贴片电阻", Package=0402, SuppliersPartNumber=C25744, ComponentLink1URL=http://www.szlcsc.com/product/details_26487.html, Supplier=LC
  R7 R8 R9 R10 R75 R84 R125: ComponentLink1Description=供应商链接
  R85 R86 R87 R122: ComponentLink1Description=供应商
R12 R13 R14 R17 R18 R19 R27 R43 R54 R61 R63 R67 R69 R70 R72 R73 R74 R126: library part "Res 0603 4.7KΩ (4701) 1%", "贴片电阻", Package=0603, SuppliersPartNumber=C23162, ComponentLink1Description=供应商链接, ComponentLink1URL=http://www.szlcsc.com/product/details_23889.html, Supplier=LC
R20 R21 R22 R23 R24: library part "Res 0402 47KΩ (4702) 1%", "贴片电阻", Package=0402, SuppliersPartNumber=C25792, ComponentLink1Description=供应商, ComponentLink1URL=http://www.szlcsc.com/product/details_26535.html, Supplier=LC
R25 R26 R28 R41 R57 R65: library part "Res 1206 0Ω (0R0) 1%", "贴片电阻", Package=1206, SuppliersPartNumber=C17888, ComponentLink1Description=供应商链接, ComponentLink1URL=http://www.szlcsc.com/product/details_18576.html, Supplier=LC
R29 R58 R66: library part "Res 0603 51KΩ (5102) 1%", "贴片电阻", Package=0603, SuppliersPartNumber=C23196, ComponentLink1Description=供应商链接, ComponentLink1URL=http://www.szlcsc.com/product/details_23923.html, Supplier=LC
R30: library part "Res 0603 82KΩ (8202) 1%", "贴片电阻", Package=0603, SuppliersPartNumber=C25981, ComponentLink1Description=供应商链接, ComponentLink1URL=http://www.szlcsc.com/product/details_26724.html, Supplier=LC
R31: library part "Res 0603 470Ω (4700) 1%", "贴片电阻", Package=0603, SuppliersPartNumber=C23179, ComponentLink1Description=供应商链接, ComponentLink1URL=http://www.szlcsc.com/product/details_23906.html, Supplier=LC
R32 R35 R38 R39 R42 R45 R49 R52 R55 R59 R62 R68: library part "Res 0603 100KΩ (1003) 1%", "贴片电阻", Package=0603, SuppliersPartNumber=C25803, ComponentLink1Description=供应商链接, ComponentLink1URL=http://www.szlcsc.com/product/details_26546.html, Supplier=LC
R33 R64 R71: library part "Res 0603 47KΩ (4702) 1%", "贴片电阻", Package=0603, SuppliersPartNumber=C25819, ComponentLink1Description=供应商链接, ComponentLink1URL=http://www.szlcsc.com/product/details_26562.html, Supplier=LC
R34 R37 R44 R48 R56 R88 R89 R136 R137: library part "Res 0603 0Ω (0R0) 1%", "贴片电阻", Package=0603, SuppliersPartNumber=C21189, ComponentLink1Description=供应商链接, ComponentLink1URL=http://www.szlcsc.com/product/details_21903.html, Supplier=LC
R40: library part "Res 0603 124KΩ 1%", "贴片电阻", Package=0603, SuppliersPartNumber=C22975, ComponentLink1Description=供应商链接, ComponentLink1URL=http://www.szlcsc.com/product/details_23702.html, Supplier=LC
R47: library part "Res 0603 40.2KΩ 1%", "贴片电阻", Package=0603, SuppliersPartNumber=C22975, ComponentLink1Description=供应商链接, ComponentLink1URL=http://www.szlcsc.com/product/details_23702.html, Supplier=LC
R51: library part "Res 0603 200KΩ (2003) 1%", "贴片电阻", Package=0603, SuppliersPartNumber=C25811, ComponentLink1Description=供应商链接, ComponentLink1URL=http://www.szlcsc.com/product/details_26554.html, Supplier=LC
R53: library part "Res 0603 68.1KΩ 1%", "贴片电阻", Package=0603, SuppliersPartNumber=C22975, ComponentLink1Description=供应商链接, ComponentLink1URL=http://www.szlcsc.com/product/details_23702.html, Supplier=LC
R76: library part "Res 0402 15KΩ (1502) 1%", "贴片电阻", Package=0402, SuppliersPartNumber=C25756, ComponentLink1Description=供应商链接, ComponentLink1URL=http://www.szlcsc.com/product/details_26499.html, Supplier=LC
R77 R78 R79 R80 R81 R82 R83 R91 R93 R95 R96 R97 R102 R105 R112 R113 R115 R117 R118 R119 R120 R121: library part "Res 0402 22Ω (22R0) 1%", "贴片电阻", Package=0402, SuppliersPartNumber=C25092, ComponentLink1Description=供应商链接, ComponentLink1URL=http://www.szlcsc.com/product/details_25835.html, Supplier=LC
R90 R92: library part "Res 0402 360Ω (3600) 1%", "贴片电阻", Package=0402, SuppliersPartNumber=C25079, ComponentLink1Description=供应商, ComponentLink1URL=http://www.szlcsc.com/product/details_25822.html, Supplier=LC
R94: library part "Res 0402 120Ω (1200) 1%", "贴片电阻", Package=0402, SuppliersPartNumber=C25079, ComponentLink1Description=供应商, ComponentLink1URL=http://www.szlcsc.com/product/details_25822.html, Supplier=LC
R98 R99 R110 R111 R114 R116 R123 R124: library part "Res 0402 4.7KΩ (4701) 1%", "贴片电阻", Package=0402, SuppliersPartNumber=C25900, ComponentLink1Description=供应商, ComponentLink1URL=http://www.szlcsc.com/product/details_26643.html, Supplier=LC
S1: library part "SW SSW-1P_2", "1路波动开关", BOM名称=波动开关, 学习资源=www.ooocke.com, 版权归属=源创客
S2 S3 S4 S5 S6 S7 S8 S9 S10 S11 S12 S13 S14: library part "SW SPOT_SW-1P", "1路开关", BOM名称=波动开关, 学习资源=www.ooocke.com, 版权归属=源创客
SD1: library part MicroSD_Card, "MicroSD Card Connector, Hinge Type, -40 to 85 degC, 8-Pin SMD, RoHS, Tape and Reel, CMP-2000-05245-1", Current Rating=500mA, Manufacturer=Molex, Voltage Rating=100VDC, =0472192001, Brand=Molex, Card Type=microSD, Contact Material=CopperAlloy, Datasheet URL=http://www.molex.com/pdm_docs/sd/472192001_sd.pdf, Datasheet Version="Rev. F, 06/2009", Factory Pack Quantity=2400, Housing Material=Thermoplastic, Insertion - Extraction Style=Hinged, Manufacturer URL=http://www.molex.com/, Mounting Style=SMD/SMT, Number of Contacts=8, Packaging=Reel, Pitch=1.09mm, Product=CardConnectors, Product Category=MemoryCardConnectors, RoHS=Details, Series=47219, Termination Style=SMD
TPH: library part TPH5011, "Test Point, Black, Through Hole, RoHS, Bulk, CMP-1672-00003-4, 5011", Colour=Black, Manufacturer=Keystone, Package Quantity=100, ComponentLink1Description="Manufacturer URL", ComponentLink1URL=http://www.keyelco.com/, ComponentLink2Description=Datasheet, ComponentLink2URL=http://www.keyelco.com/product-pdf.cfm?p=1320, Contact Material=Bronze, Contact Plating=Silver, DatasheetVersion="Rev. F, 12/2013", Height="8.12 mm", Mount="Through Hole", Mounting Technology="Through Hole", PackageDescription="1-Pin Through Hole Device, Dia 3.17 mm", PackageReference=5011, Packaging=Bulk, Pins=1, REACH SVHC="No SVHC", RoHSCompliant=true
U1: "ARM", Package=LQFP-100_14x14x05P, SuppliersPartNumber=C12345, ComponentLink1Description=供应商链接, ComponentLink1URL=http://www.szlcsc.com/product/details_12968.html, Supplier=LC
U2: "3A"
U3: "DC-DC电源芯片"
U4 U5: "Integrated Load Switch, 3 to 20 V, -55 to 150 degC, 6-Pin SOT23, RoHS, Tape and Reel, CMP-2000-04940-1", Continuous Drain Current Id=2.3A, Current Limit=2.5A, Distribution Switch Case Style=SSOT, Drain Source Voltage Vds=20V, Load Pulsed Current=10A, Manufacturer=Fairchild, On Resistance Rds(on)=0.08ohm, On State Resistance=0.054ohm, Operating Temperature Max=150degC, Operating Temperature Min=-55degC, Operating Temperature Range=-55degCto+150degC, Package / Case=SuperSOT-6, Package Description="6-Pin Small Outline Transistor, Body 2.9 x 1.6 mm, Pitch 0.95 mm", Package Reference=SOT23-6, Package Version="Rev. 5, 05/2015", Power Dissipation Pd=0.7W, Power Load Switch Type=HighSide, Voltage Drop @ Vin 12V=0.2V, Voltage In Min=3V, Voltage Off=8V, Cont Load Current=2.3A, Datasheet URL=https://datasheet.ciiva.com/1572/276121-1572006.pdf, Datasheet Version="Rev. C, 02/1999", Input Voltage=20V, Input Voltage Max=20V, Internal Switch=Yes, Manufacturer URL=https://www.fairchildsemi.com/, No. of Outputs=1, No. of Pins=6, No. of Transistors=2, On / Enable Input Polarity=ActiveHigh, Output Current Max=10A, Package URL=https://www.fairchildsemi.com/package-drawings/MA/MA06A.pdf, Power Dissipation Ptot Max=0.7W, Protection Type=Yes, Pulse Current Idm=10A, SMD Marking=3544916, SVHC=NoSVHC(19-Dec-2012), Thermal Protection=Yes, Transistor Polarity=NandPComplement, Transistor Type=MOSFET, Uni / Bi Directional Polarity=NP, Voltage In Max=20V
U6: library part MT8266WIFI, "MT8266WIFI"
U7: library part SMF05CT1G_[C15879]_i, "TVS", Package=SC-70-6(SOT-363), SuppliersPartNumber=C15879, ComponentLink1Description=供应商链接, ComponentLink1URL=http://www.szlcsc.com/product/details_16561.html, Supplier=LC
U8: "EEROM"
U9: library part MAX3485
VR1: library part "SOT-223 AMS1117-3.3", "低压差线性稳压(LDO)", Package=SOT-223, SuppliersPartNumber=C6186, ComponentLink1Description=供应商链接, ComponentLink1URL=http://www.szlcsc.com/product/details_6652.html, Supplier=LC
Y1: library part "XTAL SMD-5032_4P 8MHz 10ppm 20pF", "贴片晶振; 402F40012IKR; 8MHz 10ppm 20pF -40C +85C", CLASS=IC
Y2: library part "XTAL SMD-3215_2P 32.768KHz 20ppm 12.5pF", "贴片晶振", Package=SMD-3215_2P, SuppliersPartNumber=C32346, ComponentLink1Description=供应商链接, ComponentLink1URL=http://www.szlcsc.com/product/details_33310.html, Supplier=LC

## Via types
v1: diameter 16, hole 8, Top Layer to Bottom Layer, 142 vias
v2: diameter 24, hole 16, Top Layer to Bottom Layer, 140 vias
v3: diameter 23.62, hole 13.78, Top Layer to Bottom Layer, 74 vias
v4: diameter 20, hole 12, Top Layer to Bottom Layer, 65 vias
v5: diameter 20, hole 10, Top Layer to Bottom Layer, 32 vias
v6: diameter 18, hole 10, Top Layer to Bottom Layer, 26 vias
v7: diameter 16, hole 7.87, Top Layer to Bottom Layer, 7 vias
v8: diameter 157.48, hole 118.11, Top Layer to Bottom Layer, 4 vias
v9: diameter 20, hole 16, Top Layer to Bottom Layer, 2 vias

## Nets (pads, with @x,y where several pads share a name; then routed paths per layer and width w, separated by ;. In a path a pad name is that pad's centre, name@x,y a point inside that pad or via, vN(x,y) a via of type N, cw(c..) or ccw(c..) an arc to the next point about the centre after c; other vN are vias at no path point)
+3.3V_VCC: C18.1 C20.2 C21.1 C32.2 C50.1 D1.1 D3.1 LED1.A LED2.A LED3.A Q5.2 R2.1 R7.1 R9.1 R15.1 R16.1 R20.1 R21.1 R22.1 R23.1 R24.1 R42.2 R44.2 R123.1 R124.1 R126.2 SD1.4 U8.8 VR1.2 | length 10569.4
  Top Layer w10: D3.1@405,4028.54 405,3651.34 438.34,3618 997,3618 1040,3575 1040,3515.84 1082.1,3473.74 R20.1@1425.04,3473.74 R22.1@1511.65,3473.74 1554.96,3473.74 ; v5(1554.96,3111.73) SD1.4@1554.96,3175.28 C18.1@1554.96,3440.28 1554.96,3473.74 ; R24.1@1728.19,3473.74 R23.1@1684.88,3473.74 1554.96,3473.74 ; R9.1@3046.85,2478.78 R15.1@3100,2478.78
  Top Layer w11.81: Q5.2@1113.74,2530.13 1113.74,2334.63 1124.19,2324.18 1124.19,2314.34 1141.14,2297.39 1231.81,2297.39 R42.2@1270.83,2336.4 ; R42.2@1270.83,2337.39 R42.2@1270.83,2336.4 ; v2@1408.4,2306.6 1399.19,2297.39 1309.84,2297.39 R42.2@1270.83,2336.4 ; 1833.31,2426.83 1818.31,2411.83 1818.31,2343.36 1838.7,2322.97 U8.8@1895.67,2322.97 ; C50.1@1854.54,2432.07 1902.77,2480.3 v5(1928.31,2480.3) ; v5(2036.95,2393.36) 2038.07,2392.25 2078.88,2392.25 R16.1@2080,2391.13
  Top Layer w12: v2@2942.7,1633.71 v2(2945,1631.42) ; 3140,2477.79 3152.25,2477.79 3167.99,2462.05 v5(3184,2447.91)
  Top Layer w19.68: C20.2@310,705.83 318.46,697.36 353.78,697.36 375.23,675.91 VR1.2@398.85,675.91 VR1.2@635.07,675.91 625.31,685.67 R126.2@625.31,850
  Top Layer w20: v2(1415.28,2103.79) 1552.97,1966.11 LED1.A@1727.68,1966.11 1727.3,1965.73 1727.3,1821.48 LED3.A@1726.93,1821.11 ; v2@1415.57,2300.57 1415.57,2431.5 C32.2@1416.14,2432.07 ; R16.1@2080,2391.13 2080.98,2391.13 2088.03,2398.18 R7.1@2132.16,2398.18 ; R15.1@3100,2478.78 3100.98,2477.79 3140,2477.79
  Top Layer w30: VR1.2@635.07,675.91 635.07,701.5 663.38,729.8 688.97,729.8 774.17,815 C21.1@820.16,815 ; C21.1@830,833.11 831.34,834.45 831.34,930 900.84,999.5 1904.5,999.5 v2(1905,1000) ; C32.2@1416.14,2432.07 R124.1@1783.06,2432.07 ; v2(1685,1818.66) 1724.48,1818.66 LED3.A@1726.93,1821.11 ; v2(1755.16,1602.28) 1865,1602.28 ; R124.1@1793.55,2432.07 C50.1@1854.54,2432.07 ; v4(2014.25,1405) D1.1@2014.25,1473.54 2014.25,1476.89 2012.91,1478.23 2009.57,1478.23 1885.51,1602.28 1865,1602.28 ; R2.1@2940.53,1685 2886.42,1630.89 ; v2@2942.7,1633.71 2939.88,1630.89 2886.42,1630.89 ; 1865,1602.28 1893.61,1630.89 2886.42,1630.89
  Bottom Layer w10: v5(1554.96,3111.73) v5(1555,2430) v5(1555,2430)
  Bottom Layer w11.81: v5(1928.31,2480.3) 1996.8,2480.3 2035,2442.1 2035,2399.44 2035.39,2399.06 2035.39,2394.93 v5(2036.95,2393.36)
  Bottom Layer w12: v2(2945,1631.42) 2966.42,1631.42 3020,1685 3045,1685 3184,1824 v5(3184,2447.91)
  Bottom Layer w20: v2(1415,2300) 1415.28,2299.72 v2(1415.28,2103.79)
  Bottom Layer w30: v2(1685,1818.66) 1685,1672.44 v2(1755.16,1602.28) ; v2(1905,1000) 2014.25,1109.25 v4(2014.25,1405)
+3.3V_VCC_4G: J2.2 J2.39 J2.41 J2.52 R28.2 R72.2 R75.1 | length 8970.5
  Top Layer w10: R75.1@2869.53,4108.7 2869.53,4134.75 2875.39,4140.61 3090.61,4140.61 3140,4190 3204.8,4190 3301.85,4092.95 ; 4815,3720 4840,3745 R72.2@5270,3745
  Top Layer w19.68: J2.41@2996.73,3352.79 3217.21,3352.79 3220,3350 ; J2.39@2996.73,3384.29 3215.71,3384.29 3220,3380 ; J2.52@3355,3179.57 3255,3179.57 3220,3214.57 3220,3350 ; 3485,4092.95 J2.2@3355,4092.95 3301.85,4092.95 3231.53,4092.95 3220,4081.42 3220,3380 ; 3220,3350 3220,3380
  Top Layer w30: 3485,4092.95 4630,4092.95 4815,3907.95 4815,3720 v2(4815,3240) ; R28.2@3649.59,299.92 3770.08,299.92 3815,255 4005,255 4075,325 4075,503.54 4136.46,565 4735,565 v2(4835,665)
  Bottom Layer w30: v2(4815,3240) 4815,2540 4970,2385 4970,800 v2(4835,665)